# Altium PCB PCB1.PcbDoc
Units mm, origin at the board's own origin, x right, y up, seen from the top; angles counter-clockwise.
Board outline 117.35 x 83.31 mm, 2 copper layers (Top Layer, Bottom Layer); 60 components, 32 nets, 135 pads, 2 vias.
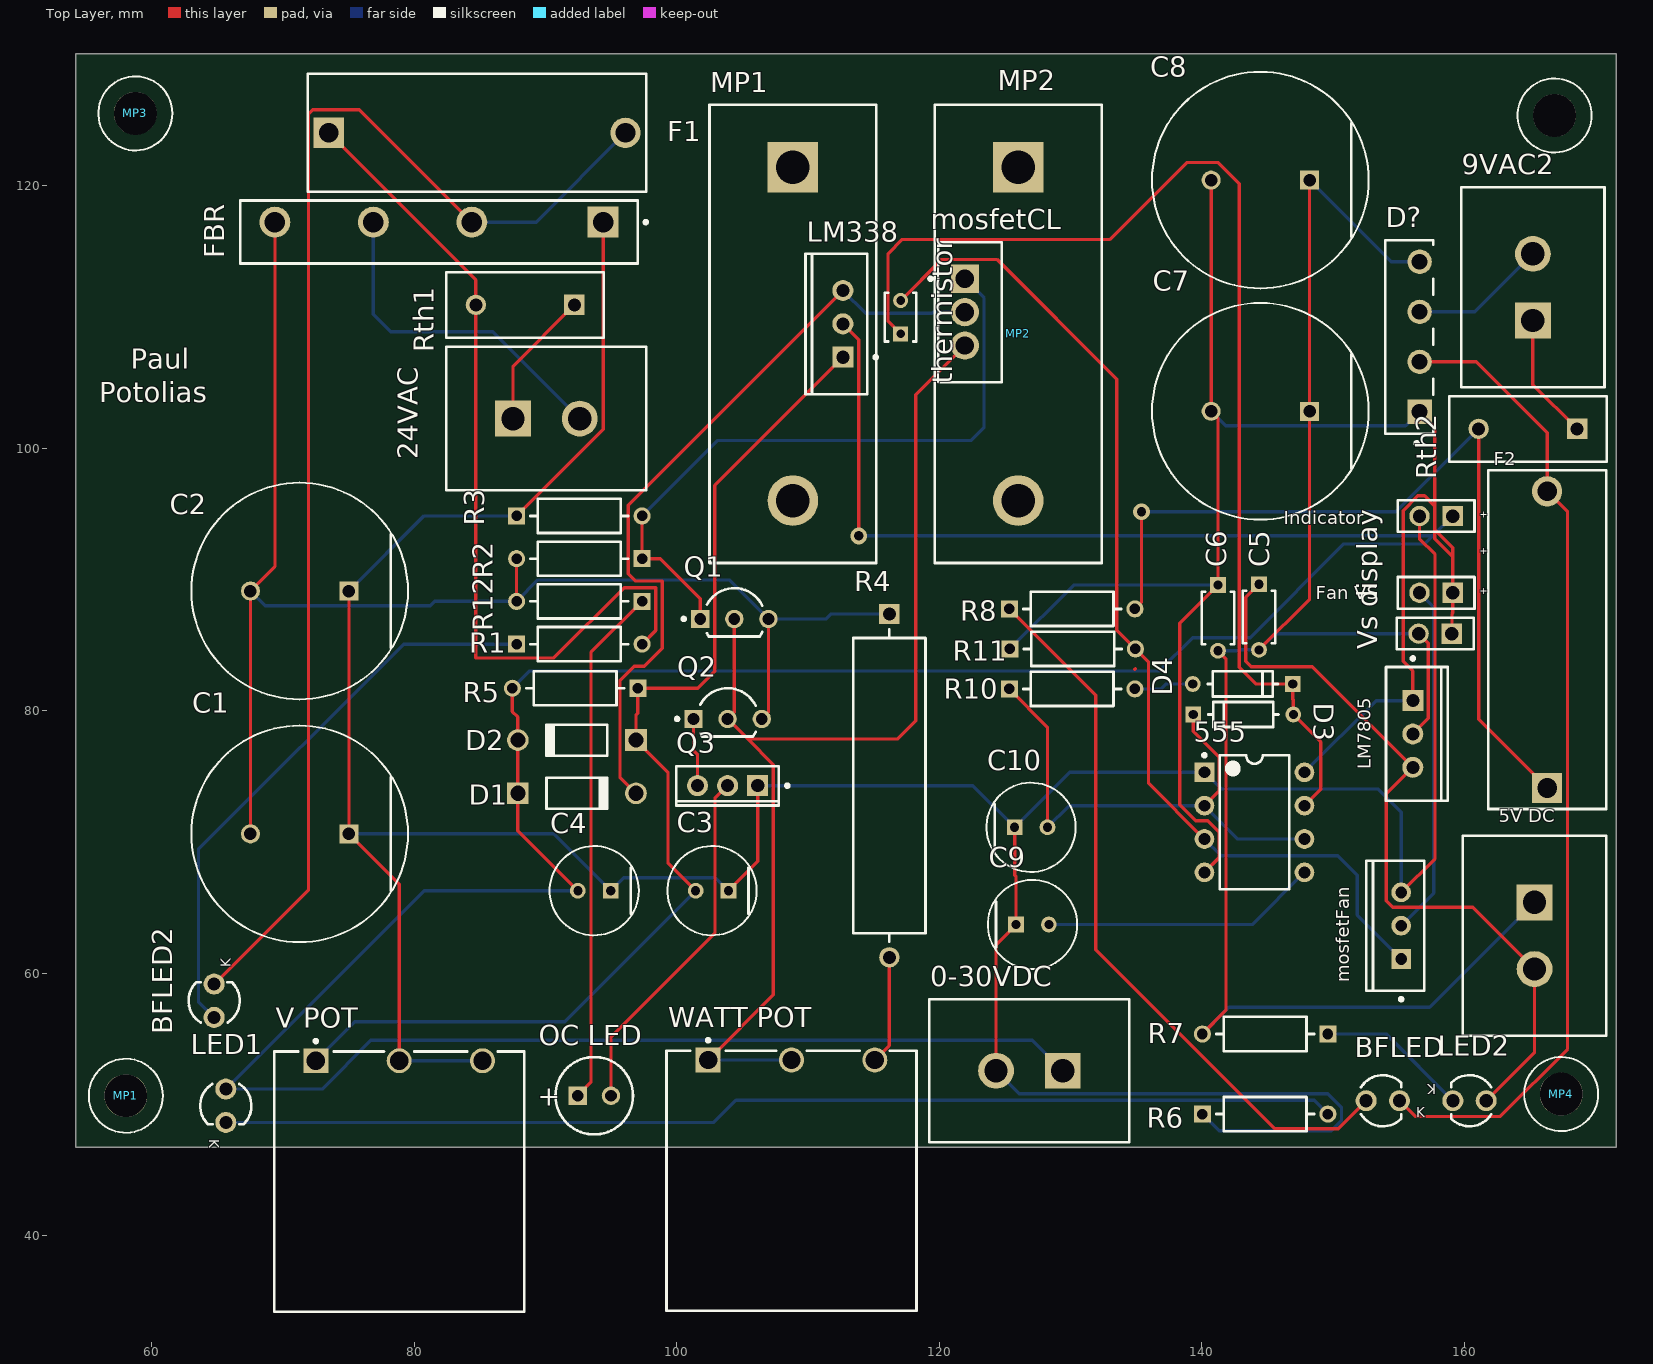
[diagram p0: Top Layer view]
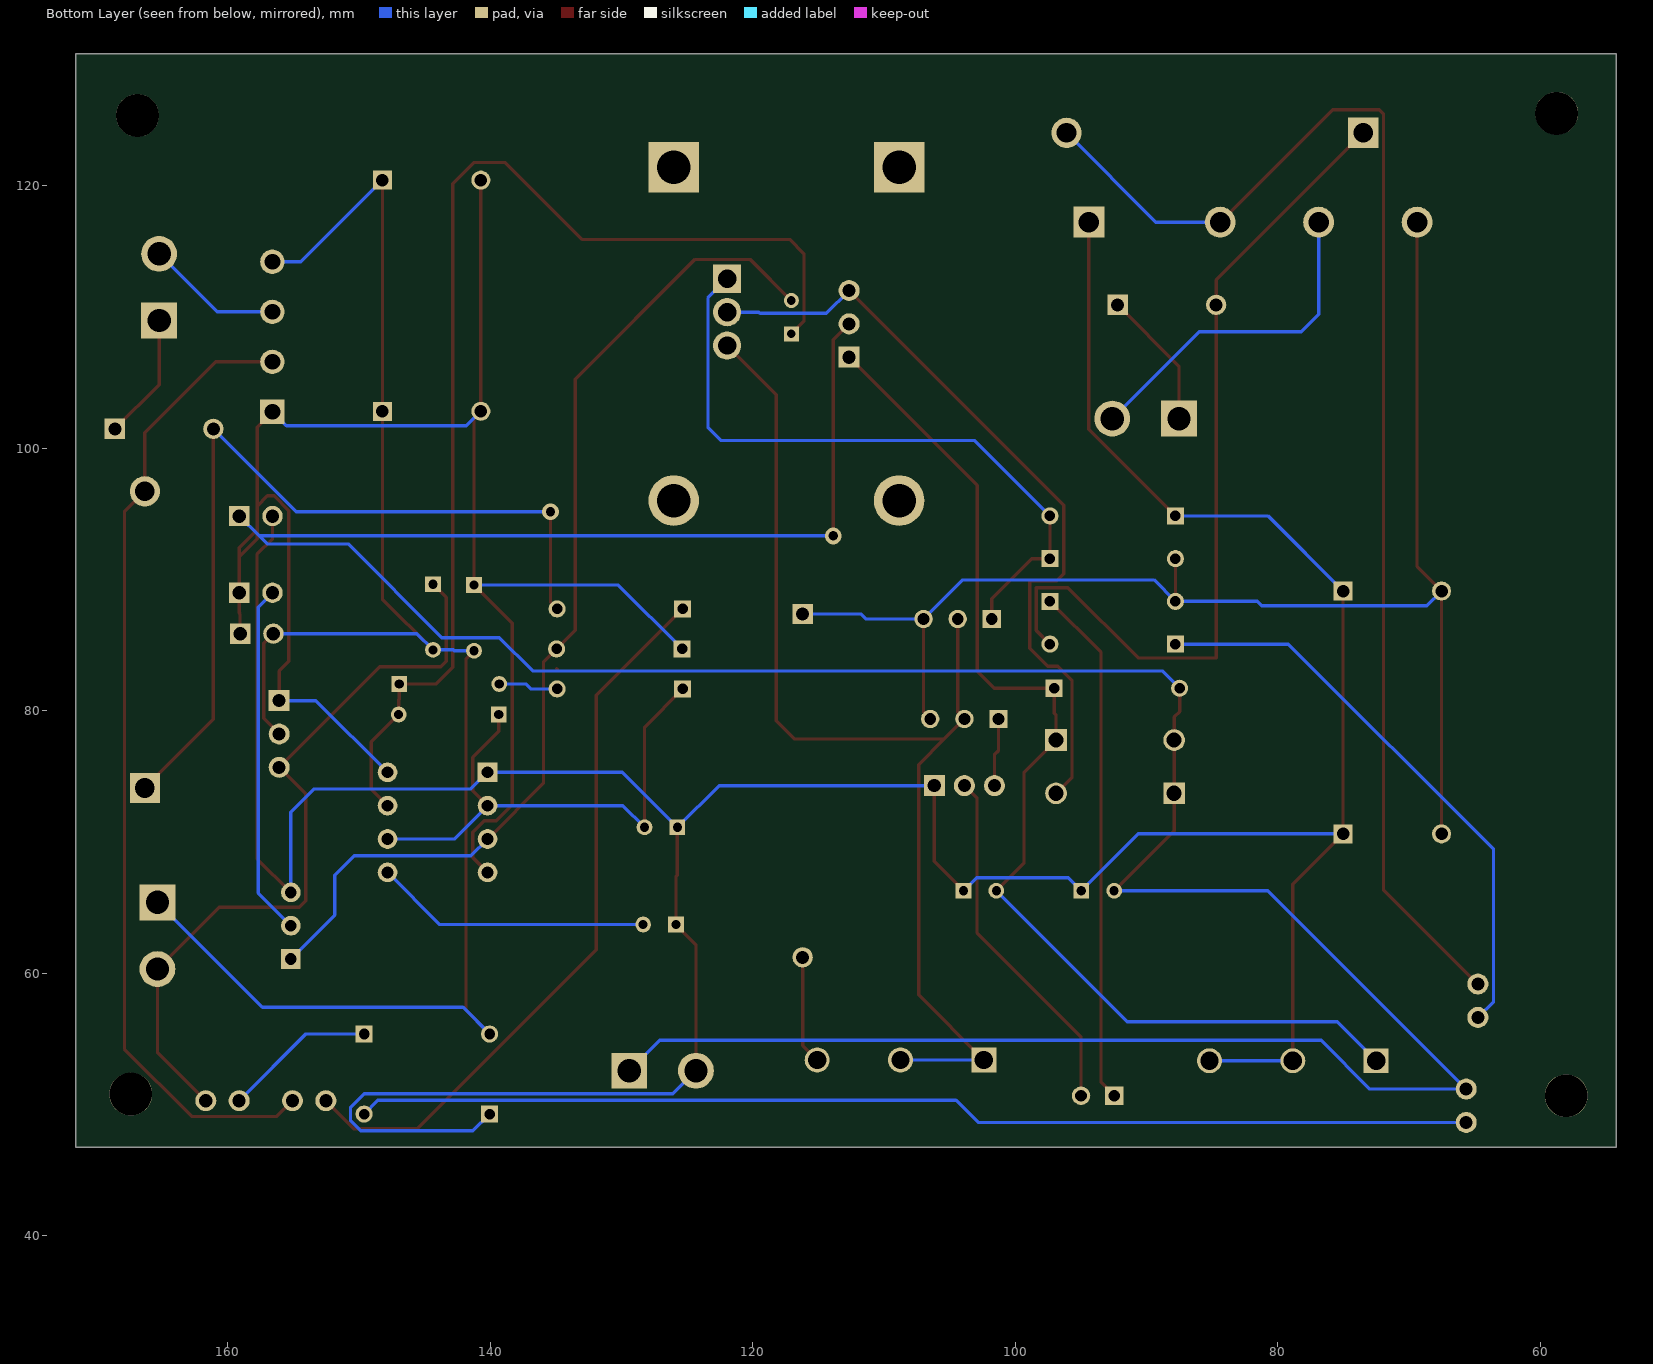
[diagram p1: Bottom Layer view, seen from below]
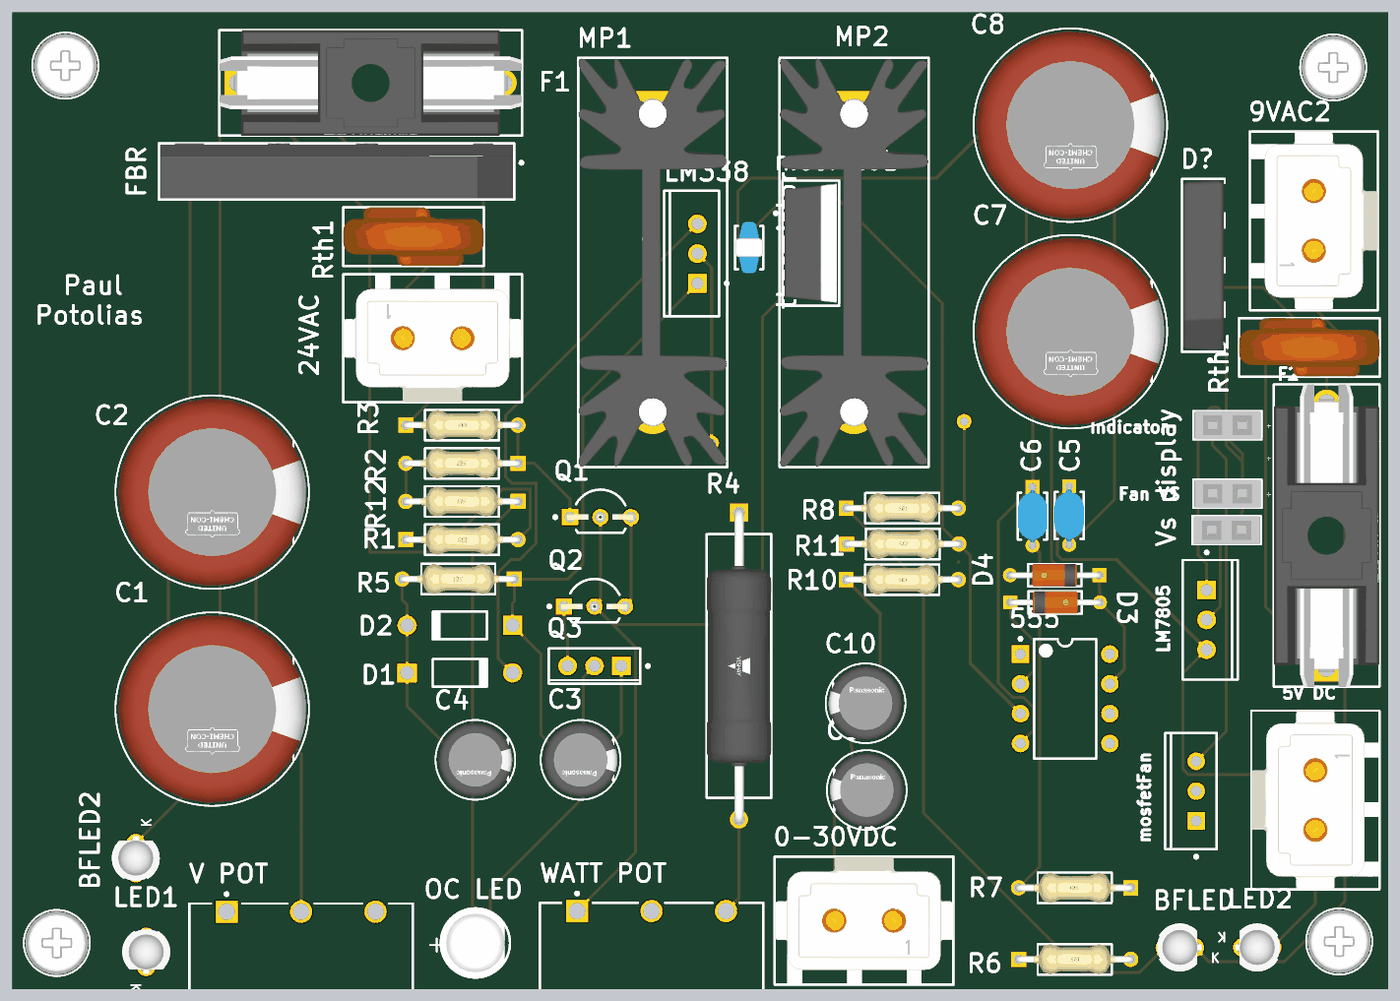
[diagram p2: 3D render of the assembled board from above, using the file's embedded part models]

## Layer stack, top to bottom
Top Solder: solder mask 0.0102, Solder Resist, Dk 3.5
Top Layer: signal copper 0.0356
Dielectric 1: dielectric 0.32, FR-4, Dk 4.8
Bottom Layer: signal copper 0.0356
Bottom Solder: solder mask 0.0102, Solder Resist, Dk 3.5

## Board outline
54.229,46.736 171.577,46.736 171.577,130.048 54.229,130.048

## Design rules (kind name [scope] priority, off if disabled: settings)
Clearance [All] p1: gap=0.254 ignorepadtopadclearanceinfootprint=FALSE except(0: Arc-Hole Track-Hole SMDPad-Hole THPad-Hole Via-Hole Fill-Hole Poly-Hole Region-Hole Text-Hole)
PolygonConnect [All] p1: connectstyle=Relief reliefconductorwidth=0.254 reliefentries=4 polygonreliefangle="90 Angle" airgapwidth=0.254
RoomDefinition Sheet1 [InComponentClass('Sheet1')] p1: confinementstyle=ConfineIn formatcopy=TRUE lockcomponents=FALSE outline 0,0 50.8,0 50.8,25.4 0,25.4
RoutingVias [All] p1: holewidth=0.711 width=1.27 viastyle="Through Hole" minholewidth=0.711 minwidth=1.27 maxholewidth=0.711 maxwidth=1.27
SolderMaskExpansion [All] p1: expansion=0.102 istentingtop=FALSE
Width [All] p1: maxlimit=0.254 minlimit=0.254 preferedwidth=0.254
30 further rules are at their usual default settings.

## Components (designator, comment, footprint, x,y, rotation, side; value= is the part's Value field where it differs from the comment)
0-30VDC "350539-1" FP-350539-1-MFG 126.873,52.578 r0 top
"5V DC" "350539-1" FP-350539-1-MFG 165.354,62.865 r90 top
9VAC2 "350539-1" FP-350539-1-MFG 165.227,112.268 r270 top
24VAC "350539-1" FP-350539-1-MFG 90.08,102.256 r180 top
555 "NE555P" P0008A 144.018,71.501 r0 top
BFLED "Blowfuse indicator" "Type 3mm" 153.797,50.292 r0 top
BFLED2 "Blown fuse indicator" "Type 3mm" 64.77,57.912 r90 top
C1 "2.2mF" FP-EGPA500ELL222ML40S-MFG 71.286,70.622 r180 top
C2 "2.2mF" FP-EGPA500ELL222ML40S-MFG 71.286,89.121 r180 top
C3 "10μF" FP-ECA-2CHG010I-MFG 102.7,66.294 r180 top
C4 "10μF" FP-ECA-2CHG010I-MFG 93.726,66.294 r180 top
C5 "10n" FP-RDE0M1-MFG 144.363,87.138 r270 top
C6 "10n" FP-RDE0M1-MFG 141.239,87.075 r270 top
C7 "2.2mF" FP-EGPA500ELL222ML40S-MFG 144.465,102.815 r180 top
C8 "2.2mF" FP-EGPA500ELL222ML40S-MFG 144.465,120.426 r180 top
C9 "10μF" FP-ECA-2CHG010I-MFG 127.107,63.717 r0 top
C10 "10μF" FP-ECA-2CHG010I-MFG 127,71.12 r0 top
D1 "1N4002-T" DIOD-DO-41-P-2_V 92.403,73.714 r0 top
D2 "1N4002-T" DIOD-DO-41-P-2_V 92.403,77.767 r180 top
D3 "1N4148" FP-017AG-MFG 143.169,79.717 r0 top
D4 "1N4148" FP-017AG-MFG 143.129,82.042 r180 top
D? "KBP205G" FP-KBP-MFG 155.8,108.472 r90 top value=25pF
F1 "64600001223" FP-64600001223-MFG 84.8,124.027 r0 top
F2 "64600001223" FP-64600001223-MFG 166.315,85.419 r90 top
"Fan VS" "SSQ-102-01-G-S" SMTC-SSQ-102-01-X-S 159.13,88.989 r180 top
FBR "GSIB2540-E3/45" FP-GSIB2580-E3-45-MFG 81.899,116.472 r180 top
Indicator "display wiring" SMTC-SSQ-102-01-X-S 159.13,94.831 r180 top
LED1 "on indicator" "Type 3mm" 65.659,49.911 r270 top
LED2 "on indicator" "Type 3mm" 160.401,50.292 r180 top
LM338 "LM338T" NDE0003A 112.663,109.474 r90 top
LM7805 "LM7805ACT" FAIR-TO-220-3 156.083,78.232 r0 top (schematic designator lm7805)
mosfetCL "IRF5210" FP-PG-TO262-3-MFG 122.339,110.363 r0 top
mosfetFan "IRF3205PBF" INF-PG-TO-220AB 155.194,63.627 r180 top
MP1 "9901" FP-9901-MFG 58.039,50.673 r0 top
MP1 "513001B02500G" FP-513001B02500G-MFG 108.853,108.712 r270 top
MP2 "513001B02500G" FP-513001B02500G-MFG 126.025,108.712 r270 top
MP2 "9901" FP-9901-MFG 166.878,125.349 r90 top
MP3 "9901" FP-9901-MFG 58.767,125.508 r0 top
MP4 "9901" FP-9901-MFG 167.386,50.8 r0 top
"OC LED" "over current indicator" KING-WP7113SYD_V 93.726,50.673 r0 top
Q1 "2n3906" ONSC-TO-92-3-29-11_AM_BL 104.394,86.995 r0 top
Q2 "2n3906" ONSC-TO-92-3-29-11_AM_BL 103.886,79.375 r0 top
Q3 "2N4923G" ONSC-TO-225-3-77-09 103.886,74.295 r270 top
R1 "1.7k" FP-CF14-MFG 92.583,85.078 r0 top
R2 "20k" FP-CF14-MFG 92.583,91.586 r180 top
R3 "30k" FP-CF14-MFG 92.583,94.84 r0 top
R4 "0.225Ω 3W" FP-PAC03-MFG 116.205,74.295 r270 top
R5 "120Ω" FP-CF14-MFG 92.269,81.714 r180 top
R6 "1.5k" FP-CF14-MFG 144.831,49.281 r0 top
R7 "250Ω" FP-CF14-MFG 144.831,55.377 r180 top
R8 "450Ω" FP-CF14-MFG 130.129,87.757 r0 top
R10 "1k" FP-CF14-MFG 130.129,81.661 r0 top
R11 "1kGmosf" FP-CF14-MFG 130.175,84.709 r0 top
R12 "10k" FP-CF14-MFG 92.583,88.332 r180 top
Rth1 "NTPAA5R1LDNB0" FP-NTPAA-MFG 88.46,110.918 r180 top
Rth2 "NTPAA5R1LDNB0" FP-NTPAA-MFG 164.846,101.473 r180 top
thermistor "10k" FP-103AT-2-MFG 117.068,109.982 r90 top
"V POT" "2.85k" BOUR-3852A-282-103AL-3_V 78.867,53.34 r0 top
"Vs display" "SSQ-102-01-G-S" SMTC-SSQ-102-01-X-S 159.061,85.877 r180 top
"WATT POT" "3852A-282-103AL" BOUR-3852A-282-103AL-3_V 108.75,53.394 r0 top

## Footprints (in the part's own frame and the unit in brackets; to place one, negate y for a bottom-side part, rotate by r counter-clockwise, add the part's x,y. Pads: shape width x height; smd on the part's side, far side on the other; paste and mask are expansions set on the pad)
BOUR-3852A-282-103AL-3_V [mm] "TH, 3-Leads, Body 19.81x19.05mm, Pitch 6.35mm"
  rect 1.9x1.9 hole 1.4: 1(-6.35,0)
  round 1.9 hole 1.4: 2(0,0) 3(6.35,0)
  silkscreen extent -9.53,-19.11 9.53,1.62, body extent -9.52,-19.11 9.52,0.7, height 19.05
DIOD-DO-41-P-2_V [mm] "2-Leads, Axial Lead, Body 4.635x2.36mm, Pin Spacing 9mm"
  rect 1.65x1.65 hole 1.15: 1(-4.5,0)
  round 1.65 hole 1.15: 2(4.5,0)
  silkscreen extent -2.32,-1.18 2.32,1.18, body extent -4.93,-1.18 4.93,1.18, height 2.35
FAIR-TO-220-3 [mm] "FM, 3-Leads, Body 10.2x4.7mm, Pitch 2.54mm"
  rect 1.6x1.6 hole 1: 1(0,2.54)
  round 1.6 hole 1: 2(0,0) 3(0,-2.54)
  silkscreen extent -2.04,-5.1 2.66,5.87, body extent -2.04,-5.1 2.66,5.1, height 18.95
FP-017AG-MFG [mm]
  rect 1.2x1.2 hole 0.7 paste-1000 mask+0: 1(-3.813,0)
  round 1.2 hole 0.7 paste-1000 mask+0: 2(3.813,0)
  silkscreen extent -2.68,-0.95 2.68,0.95, body extent -4.51,-1.05 4.51,1.05, height 0.25
FP-103AT-2-MFG [mm]
  rect 1.15x1.15 hole 0.65 paste-1000 mask+0: 1(-1.27,0)
  round 1.15 hole 0.65 paste-1000 mask+0: 2(1.27,0)
  silkscreen extent -1.85,-1.2 1.85,1.2, body extent -1.95,-1.3 1.95,1.3, height 0.25
FP-9901-MFG [mil]
  round 128.5 hole 128.5 unplated paste-39370.1 mask+0: ""(0,0)
  silkscreen extent -111,-111 111,111, body extent -115,-115 115,115, height 10
FP-350539-1-MFG [mil]
  rect 107.4x107.4 hole 70 paste-39370.1 mask+0: 1(100,0)
  round 107.4 hole 70 paste-39370.1 mask+0: 2(-100,0)
  silkscreen extent -300,-215 300,215, body extent -304,-219 304,219, height 10
FP-513001B02500G-MFG [mm]
  rect 3.85x3.85 hole 2.55 paste-1000 mask+0: 1(-12.7,0)
  round 3.85 hole 2.55 paste-1000 mask+0: 2(12.7,0)
  silkscreen extent -17.46,-6.35 17.46,6.35, body extent -17.56,-6.45 17.56,6.45, height 0.25
FP-64600001223-MFG [mm]
  rect 2.3x2.3 hole 1.5 paste-1000 mask+0: 1(-11.3,0)
  round 2.3 hole 1.5 paste-1000 mask+0: 2(11.3,0)
  silkscreen extent -12.9,-4.5 12.9,4.5, body extent -13,-4.6 13,4.6, height 0.25
FP-CF14-MFG [mm]
  rect 1.3x1.3 hole 0.8 paste-1000 mask+0: 1(-4.78,0)
  round 1.3 hole 0.8 paste-1000 mask+0: 2(4.78,0)
  silkscreen extent -3.73,-1.3 3.73,1.3, body extent -5.53,-1.4 5.53,1.4, height 0.25
FP-ECA-2CHG010I-MFG [mm]
  rect 1.2x1.2 hole 0.7 paste-1000 mask+0: 1(-1.25,0)
  round 1.2 hole 0.7 paste-1000 mask+0: 2(1.25,0)
  silkscreen extent -3.4,-3.4 3.4,3.4, body extent -3.5,-3.5 3.5,3.5, height 0.25
FP-EGPA500ELL222ML40S-MFG [mm]
  rect 1.45x1.45 hole 0.95 paste-1000 mask+0: 1(-3.75,0)
  round 1.45 hole 0.95 paste-1000 mask+0: 2(3.75,0)
  silkscreen extent -8.25,-8.25 8.25,8.25, body extent -8.35,-8.35 8.35,8.35, height 0.25
FP-GSIB2580-E3-45-MFG [mm]
  rect 2.35x2.35 hole 1.55 paste-1000 mask+0: 1(-12.5,-0.75)
  round 2.35 hole 1.55 paste-1000 mask+0: 2(-2.5,-0.75) 3(5,-0.75) 4(12.5,-0.75)
  silkscreen extent -15.88,-2.4 15.15,2.4, body extent -15.25,-2.5 15.25,2.5, height 0.25
FP-KBP-MFG [mm]
  rect 1.85x1.85 hole 1.2 paste-1000 mask+0: 1(-5.7,-0.8)
  round 1.85 hole 1.2 paste-1000 mask+0: 2(-1.89,-0.8) 3(1.92,-0.8) 4(5.73,-0.8)
  silkscreen extent -8.22,-1.82 7.38,1.83, body extent -7.47,-1.92 7.47,1.92, height 0.25
FP-NTPAA-MFG [mm]
  rect 1.55x1.55 hole 1 paste-1000 mask+0: 1(-3.75,0)
  round 1.55 hole 1 paste-1000 mask+0: 2(3.75,0)
  silkscreen extent -6,-2.5 6,2.5, body extent -6.1,-2.6 6.1,2.6, height 0.25
FP-PAC03-MFG [mm]
  rect 1.55x1.55 hole 1 paste-1000 mask+0: 1(-13.08,0)
  round 1.55 hole 1 paste-1000 mask+0: 2(13.08,0)
  silkscreen extent -11.9,-2.75 11.9,2.75, body extent -13.95,-2.85 13.95,2.85, height 0.25
FP-PG-TO262-3-MFG [mm]
  rect 2.15x2.15 hole 1.4 paste-1000 mask+0: 1(-0.377,2.54)
  round 2.15 hole 1.4 paste-1000 mask+0: 2(-0.377,0) 3(-0.377,-2.54)
  silkscreen extent -3.12,-5.33 2.41,5.34, body extent -2.51,-5.44 2.51,5.44, height 0.25
FP-RDE0M1-MFG [mm]
  rect 1.2x1.2 hole 0.7 paste-1000 mask+0: 1(-2.5,0)
  round 1.2 hole 0.7 paste-1000 mask+0: 2(2.5,0)
  silkscreen extent -2,-1.25 2,1.25, body extent -3.2,-1.35 3.2,1.35, height 0.25
INF-PG-TO-220AB [mm] "FM, 3-Leads, Body 9.9x4.4mm, Pitch 2.54mm"
  rect 1.5x1.5 hole 0.9: 1(0,2.54)
  round 1.5 hole 0.9: 2(0,0) 3(0,-2.54)
  silkscreen extent -1.75,-4.95 2.65,5.72, body extent -1.75,-4.95 2.65,4.95, height 20.2
KING-WP7113SYD_V [mm] "THD, 2-Leads, Dia 5.9mm, Body Length 8.6mm"
  rect 1.4x1.4 hole 0.889: 1(-1.27,0)
  round 1.4 hole 0.889: 2(1.27,0)
  silkscreen extent -2.95,-2.95 2.95,2.95, body extent -2.95,-2.95 2.5,2.95, height 15.5
NDE0003A [mm] "FM, 3-Leads, Body 10.7x4.7mm, Pitch 2.54mm"
  rect 1.6x1.6 hole 1: 1(-2.54,0)
  round 1.6 hole 1: 2(0,0) 3(2.54,0)
  silkscreen extent -5.35,-2.63 5.35,2.85, body extent -5.4,-1.9 5.4,2.9, height 19.4
ONSC-TO-92-3-29-11_AM_BL [mm] "TO, 3-Leads, Body Dia 4.7mm, Pitch 2.6mm"
  rect 1.4x1.4 hole 0.9: 1(-2.6,0)
  round 1.4 hole 0.9: 2(0,0) 3(2.6,0)
  silkscreen extent -3.97,-1.34 2.13,2.35, body extent -2.84,-1.34 2.84,2.35, height 5.33
ONSC-TO-225-3-77-09 [mm] "FM, 3-Leads, Body 7.8x3mm, Pitch 2.29mm"
  rect 1.6x1.6 hole 1: 1(0,2.29)
  round 1.6 hole 1: 2(0,0) 3(0,-2.29)
  silkscreen extent -1.49,-3.9 1.51,4.68, body extent -1.49,-3.9 1.51,3.9, height 13.64
P0008A [mm] "DIP, 8-Leads, Body 10.15x6.6mm, Pitch 2.54mm"
  rect 1.5x1.5 hole 0.9: 1(-3.81,3.81)
  round 1.5 hole 0.9: 2(-3.81,1.27) 3(-3.81,-1.27) 4(-3.81,-3.81) 5(3.81,-3.81) 6(3.81,-1.27) 7(3.81,1.27) 8(3.81,3.81)
  silkscreen extent -3.93,-5.1 2.65,5.23, body extent -3.95,-5.07 3.95,5.07, height 5.08
SMTC-SSQ-102-01-X-S [mm] "SQ Post Socket, 1x2 Pins, Vertical, 2.54mm Pitch, Female"
  rect 1.55x1.55 hole 1.02: 1(0,0)
  round 1.55 hole 1.02: 2(2.54,0)
  silkscreen extent -1.65,-1.2 4.19,1.2, body extent -1.52,-1.21 4.06,1.21, height 8.51
"Type 3mm" [mm] "THT, LED-3mm, 2pin- Body 4.15mm(max)"
  round 1.6 hole 1: 1(1.27,0) 2(-1.27,0)
  silkscreen extent -1.66,-1.95 1.4,1.95, body extent -1.93,-1.94 1.87,1.94, height 10.5

## Part data
0-30VDC "5V DC" 9VAC2 24VAC: library part CMP-03369-000078-1, "CONN HEADER VERT 2POS 5.08MM", Current Rating=12A, Manufacturer="TE Connectivity", Temperature="-55°C to +105°C", Temperature Range High=+105°C, Temperature Range Low=-55°C, Voltage Rating=250V, Automotive=No, Category=Conn, ComponentLink2Description=Datasheet, ComponentLink2URL=https://www.te.com/usa-en/product-350539-1.html?te_bu=Cor&te_type=other&te_campaign=oct_glo_cor-oct-global-oth-prtnr-fy19-oct-octo-buy-bom_sma-298_2&elqCampaignId=35216, Conn Gender=Male, Conn Orientation=Vertical, Contact Material=Gold,Nickel, Device Class L1=Connectors, Device Class L2="Headers and Wire Housings", Device Class L3=unset, Digikey Description="CONN HEADER VERT 2POS 5.08MM", Height=0.41inch, Lead Free=Yes, Manufacturer Part Number=350539-1, Mouser Description="Pin & Socket Connectors CONN PCM 2 POS TIN", Number Of Contacts=2, Number Of Rows=1, Octopart=https://octopart.com/350539-1-te+connectivity-46510628, Package=350539-1, Pitch=5.08mm, RoHS=TRUE, Standoff Height=0.025inch
555: library part CMP-2000-04954-1, "Precision Timer, 4.5 to 16 V, 0 to 70 degC, 8-Pin DIP, Pb-Free, Tube", Manufacturer=TexasInstruments, Maximum High Level Output Current=-200mA, Maximum Low Level Output Current=200mA, Operating Supply Voltage=5, Package=8PDIP, Package Description="8-Pin Double In-line Package, Body 9.59 x 6.35 mm, Pitch 2.54 mm", Package Reference=P8, Category=Timer, Datasheet URL=http://www.ti.com/general/docs/lit/getliterature.tsp?genericPartNumber=NE555&fileType=pdf, Datasheet Version="Rev. I, 09/2014", Manufacturer URL=http://www.ti.com/, Number of Internal Timers=1, Package URL=http://www.ti.com/lit/ml/mpdi001b/mpdi001b.pdf, Packaging=Rail/Tube, Rad Hard=No, Type=Standard
BFLED BFLED2: library part CMP-1488-00005-1, "THT LED round mono-color color lens, WL-TMRW, Super Red", Emitting Color="Super Red", Manufacturer="Wuerth Elektronik", PartNumber=151031SS04000, ComponentLink1Description="Manufacturer URL", ComponentLink1URL=http://www.we-online.com, ComponentLink2Description=Datasheet, ComponentLink2URL=http://katalog.we-online.de/pbs/datasheet/7448042001.pdfhttp://katalog.we-online.de/pbs/datasheet/7448042001.pdfhttp://katalog.we-online.de/pbs/datasheet/7448042001.pdfhttp://katalog.we-online.de/pbs/datasheet/151031SS04000.pdf, PackageReference="Type 3mm"
C1 C2 C7 C8: library part CMP-33768-000005-1, "CAP ALUM 2200UF 20% 50V RADIAL", Case/Package=Radial, ESR (Equivalent Series Resistance)=20mR, Leakage Current=4uA, Max Operating Temperature=125°C, Min Operating Temperature=-40°C, Package Quantity=250, Ripple Current=3.72A, Tolerance=20%, Voltage=50V, Capacitance=2.2mF, Diameter=16mm, Height - Seated (Max)=1.634inch, Lead Diameter=0.8mm, Lead Free="Lead Free", Lead Pitch=7.5mm, Length=40mm, Life (Hours)=5000Hour, Mount="Through Hole", Number of Pins=40, Packaging=Bulk, Polarity=Polar, Radiation Hardening=No, Termination=Radial, Voltage Rating=50V, Voltage Rating (DC)=50V
C3 C4 C9 C10: library part CMP-05427-002176-1, "CAP ALUM 1UF 20% 160V RADIAL", Capacitance=1uF, Case/Package=Radial, Max Operating Temperature=105°C, Min Operating Temperature=-25°C, Package Quantity=2000, Ripple Current=17mA, Tolerance=20%, Voltage Rating=160V, Diameter=6.3mm, Height=11.2mm, Height - Seated (Max)=0.48inch, Lead Pitch=2.5mm, Lead/Base Style=Straight, Length=11.2mm, Life (Hours)=2000Hour, Mount="Through Hole", Packaging="Ammo Pack", Radiation Hardening=No, RoHS Compliant=Yes, Series=NHG, Termination=Radial, Voltage Rating (DC)=160V
C5 C6: library part CMP-06035-051680-1, "Ceramic Capacitor 100nF ±10% 50V X7R Radial", Capacitance=100nF, Case/Package=Radial, Dielectric=X7R, Max Operating Temperature=125°C, Min Operating Temperature=-55°C, Package Quantity=2000, Resistor Type=Ceramic, Tolerance=10%, Voltage Rating=50V, Height=3.5mm, Height - Seated (Max)=0.236inch, Lead Diameter=0.5mm, Lead Free="Lead Free", Lead Pitch=0.197inch, Lead/Base Style=Kinked, Length=0.157inch, Mount="Through Hole", Packaging="Tape and Reel", Termination=Radial, Voltage Rating (DC)=50V, Width=3.5mm
D1 D2: library part CMP-0639-00002-2, "1.0 A Rectifier, 15 pF, 100 V, -65 to 150 degC, 2-Pin DO-41 Plastic, RoHS, Tape and Reel", Manufacturer="Diodes Inc", Max. Average Rectified Current IO (A)=1, Operating Temperature Range (degC)="-65 to 150", ComponentLink1Description="Manufacturer URL", ComponentLink1URL=http://diodes.com/, ComponentLink2Description=Datasheet, ComponentLink2URL=http://diodes.com/datasheets/ds28002.pdf, CT (pF)=15, DatasheetVersion="Rev. 8-2", Max. IFSM (A)=30, Max. IR (uA)=5, Mounting Technology="Through Hole", PackageDescription="2-Pin Axial Lead, Body 4.635 x 2.36 mm, Lead Spread 25.4 mm", PackageReference=DO-41-P-2, Packing="Tape and Reel", PartNumber=1N4002-T, RoHS=TRUE, VF (V)=1, VRRM (V)=100
D3 D4: library part CMP-07163-000046-1, "DIODE GEN PURP 100V 200MA DO35", Average Rectified Current=200mA, Capacitance=4pF, Case/Package=DO-35, Current=4A, Forward Current=300mA, Forward Voltage=1V, Max Forward Surge Current (Ifsm)=1A, Max Operating Temperature=175°C, Max Power Dissipation=500mW, Max Repetitive Reverse Voltage (Vrrm)=100V, Max Reverse Current=5uA, Min Operating Temperature=-65°C, Package Quantity=2000, Contact Plating=Tin, Current Rating=200mA, Diameter=1.91mm, Element Configuration=Single, Height=4.56mm, Lead Free="Lead Free", Length=4.56mm, Max Reverse Voltage (DC)=100V, Max Surge Current=4A, Mount="Through Hole", Number of Pins=2, Output Current=200mA, Outside Diameter=1.85mm, Packaging=Bulk, Peak Non-Repetitive Surge Current=4A, Polarity=Standard, Power Dissipation=500mW, Radiation Hardening=No, REACH SVHC="No SVHC", Recovery Time=4ns, Reverse Recovery Time=4ns, Reverse Voltage=100V, Series=-, Voltage=100V, Voltage Rating (DC)=100V, Weight=0.01lb, Width=1.91mm
D?: library part CMP-12791-000035-1, "BRIDGE RECT 1PHASE 600V 2A KBP", Capacitance=25pF, Forward Current=2A, Manufacturer="Diodes Inc.", Manufacturer Part Number=KBP206G, Max Junction Temp=+150°C, Max Repetitive Reverse Voltage=600V, Max Surge Forward Current=65A, Package=KBP, Peak Reverse Current=5uA, Temperature="-65°C to +150°C", Temperature Range Low=-65°C, Automotive=No, Category=Diode, ComponentLink2Description=Datasheet, ComponentLink2URL=https://www.diodes.com/assets/Datasheets/ds21205.pdf, Device Class L1="Discrete Semiconductors", Device Class L2=Diodes, Device Class L3="Rectifier Diodes", Digikey Description="BRIDGE RECT 1PHASE 600V 2A KBP", Footprint Url=https://www.diodes.com/assets/Package-Files/KBP.pdf, Height=12.8mm, Lead Free=Yes, Mouser Description="Bridge Rectifiers 2.0A 600V", Octopart=https://octopart.com/kbp206g-diodes+inc.-330175, Reverse Voltage=600V, RoHS=TRUE, Standoff Height=1.8mm, Temperature Range High=+150°C
F1 F2: library part CMP-08604-000020-1, "FUSE BLOCK CART 250V 6.3A PCB", Fuse Current=6.3A, Manufacturer="Littelfuse Inc", Package=0, Voltage Rating Ac=250V, Automotive=No, Category=Fuse, ComponentLink2Description=Datasheet, ComponentLink2URL=https://www.littelfuse.com/~/media/electronics/datasheets/fuse_blocks/littelfuse_fuse_block_646_datasheet.pdf.pdf, Conn Orientation=Horizontal, Device Class L1="Circuit Protection", Device Class L2="Fuse Holders", Device Class L3=unset, Digikey Description="FUSE BLOCK CART 250V 6.3A PCB", Height=12mm, Lead Free=Yes, Manufacturer Part Number=64600001223, Mouser Description="Fuse Holder Screw Mount Bulk", Number Of Fuses=1, Octopart=https://octopart.com/64600001223-littelfuse-39645661, RoHS=TRUE, Voltage Rating Dc=250V
"Fan VS" "Vs display": library part CMP-1023-00275-1, "SQ Post Socket, Through-hole, Vertical, -55 to 125 degC, 2.54 mm Pitch, 2-Pin, Female, RoHS", Manufacturer=Samtec, Temperature Range="-55 to 125 degC", ComponentLink1Description="Manufacturer URL", ComponentLink1URL=http://www.samtec.com, ComponentLink2Description=Datasheet, ComponentLink2URL=http://www.samtec.com/documents/webfiles/pdf/SSQ_TH.PDF, ComponentLink3Description="Package Specification", ComponentLink3URL=http://www.samtec.com/documents/webfiles/cpdf/SSQ-1XX-XX-XXX-X-XX-XXX-XX-X-MKT.pdf, DatasheetVersion=F-214, Mounting Technology=Through-hole, Orientation=Vertical, PackageDescription="Assembly, Socket Strip .025[0.64] SQ Tail", PackageReference=SSQ-102-01-X-S, PackageVersion="BD, 6/1987", PartNumber=SSQ-102-01-G-S, Pitch="2.54 mm", RoHS=True
FBR: library part CMP-02540-000115-1, "BRIDGE RECT 1P 800V 3.5A GSIB-5S", Average Rectified Current=3.5A, Case/Package=SIP, Current=25A, Current Rating=20A, Forward Voltage=1V, Max Forward Surge Current (Ifsm)=350A, Max Operating Temperature=150°C, Max Repetitive Reverse Voltage (Vrrm)=800V, Max Reverse Current=10uA, Min Operating Temperature=-55°C, Package Quantity=20, Voltage=200V, Element Configuration=Single, Forward Current=3.5A, Height=20mm, Lead Free="Lead Free", Length=30mm, Max Reverse Leakage Current=10uA, Max Surge Current=350A, Mount="Through Hole", Number of Elements=1, Number of Pins=4, Packaging=Rail/Tube, Peak Non-Repetitive Surge Current=350A, Radiation Hardening=No, RoHS Compliant=Yes, Series=-, Width=4.6mm
Indicator: library part CMP-1023-00275-1, "SQ Post Socket, Through-hole, Vertical, -55 to 125 degC, 2.54 mm Pitch, 2-Pin, Female, RoHS", Manufacturer=Samtec, PartNumber=SSQ-102-01-G-S, Temperature Range="-55 to 125 degC", ComponentLink1Description="Manufacturer URL", ComponentLink1URL=http://www.samtec.com, ComponentLink2Description=Datasheet, ComponentLink2URL=http://www.samtec.com/documents/webfiles/pdf/SSQ_TH.PDF, ComponentLink3Description="Package Specification", ComponentLink3URL=http://www.samtec.com/documents/webfiles/cpdf/SSQ-1XX-XX-XXX-X-XX-XXX-XX-X-MKT.pdf, DatasheetVersion=F-214, Mounting Technology=Through-hole, Orientation=Vertical, PackageDescription="Assembly, Socket Strip .025[0.64] SQ Tail", PackageReference=SSQ-102-01-X-S, PackageVersion="BD, 6/1987", Pitch="2.54 mm", RoHS=True
LED1 LED2: library part CMP-1488-00004-1, "THT LED round mono-color color lens, WL-TMRC , Bright Green", Emitting Color="Bright Green", Manufacturer="Wuerth Elektronik", PartNumber=151031VS06000, ComponentLink1Description="Manufacturer URL", ComponentLink1URL=http://www.we-online.com, ComponentLink2Description=Datasheet, ComponentLink2URL=http://katalog.we-online.de/pbs/datasheet/7448042001.pdfhttp://katalog.we-online.de/pbs/datasheet/7448042001.pdfhttp://katalog.we-online.de/pbs/datasheet/7448042001.pdfhttp://katalog.we-online.de/pbs/datasheet/151031VS06000.pdf, PackageReference="Type 3mm"
LM338: library part CMP-0062-02474-3, "5 Amp Adjustable Regulator, 3-pin TO-220, Pb-Free", Manufacturer="Texas Instruments", PackageTopMarking="NSUZXYTTE#*LM338T P+", PowerWise=N, ComponentLink1Description="Datasheet URL", ComponentLink1URL=http://www.ti.com/general/docs/lit/getliterature.tsp?genericPartNumber=LM338&fileType=pdf, CompType="LDO IC", PackageDescription="TO-220, Molded, 3 Lead, Straight", PackageReference=NDE0003A, PinCount=3, RoHS=Y
LM7805: library part CMP-2000-04937-1, "Positive Voltage Regulator, 5 V, 1 A, 0 to 125 degC, 3-Pin TO-220, RoHS, Tube", Dropout Voltage Measurement Current=1A, Manufacturer=Fairchild, Maximum Input Voltage=35V, Maximum Operating Temperature=+125degC, Minimum Operating Temperature=0degC, Output Voltage=5V, Package Description="3-Pin Through Hole Device, Body 10 x 4.5 mm, Pitch 2.54 mm", Package Reference=TO-220, Quiescent Current=6mA, Typical Dropout Voltage @ Current=2V@1A, Datasheet URL=https://datasheet.ciiva.com/5816/1359194-5816420.pdf, Datasheet Version="Rev. 1.0.1, 05/2006", Dimensions=10.67x4.83x16.51mm, Height=16.51mm, Length=10.67mm, Line Regulation=50mV, Load Regulation=100mV, Manufacturer URL=https://www.fairchildsemi.com/, Maximum Output Current=1A, Mounting Type=ThroughHole, Number of Outputs=1, Output Type=Fixed, Package Type=TO-220, Package URL=https://www.fairchildsemi.com/package-drawings/TO/TO220B03.pdf, Pin Count=3, Polarity=Positive, Regulator Function=Linear, Series=LM78xx, Width=4.83mm
mosfetCL: library part CMP-32901-001325-1, "MOSFET P-CH 100V 38A TO262", Case/Package=TO-262, Continuous Drain Current (ID)=38A, Drain to Source Breakdown Voltage=-100V, Drain to Source Resistance=60mR, Gate to Source Voltage (Vgs)=20V, Input Capacitance=2.78nF, Max Operating Temperature=150°C, Max Power Dissipation=3.1W, Min Operating Temperature=-55°C, Power Dissipation=170W, Threshold Voltage=4V, Drain to Source Voltage (Vdss)=-100V, Halogen Free="Halogen Free", Height=0.38inch, Lead Free="Contains Lead", Length=0.42inch, Max Dual Supply Voltage=-100V, Mount="Through Hole", Number of Pins=3, Packaging=Rail/Tube, Polarization=P, Rds On Max=60mR, Reach SVHC Compliant=Yes, RoHS Compliant=Yes, Series=HEXFET®, Turn-Off Delay Time=72ns, Turn-On Delay Time=14ns, Width=0.19inch
mosfetFan: library part CMP-2000-04997-1, "HEXFET(R) Power N-Channel MOSFET, 55 V, 110 A, -55 to 117 degC, 3-Pin TO-220AB, RoHS, Rail/Tube", Manufacturer="International Rectifier", Maximum Continuous Drain Current=110A, Maximum Drain Source Resistance=0.008Ω, Maximum Drain Source Voltage=55V, Maximum Gate Source Voltage=±20V, Maximum Gate Threshold Voltage=4V, Maximum Operating Temperature=+175degC, Maximum Power Dissipation=200W, Minimum Gate Threshold Voltage=2V, Minimum Operating Temperature=-55degC, Package Description="3-Pin Plastic (Green) Transistor Single Outline Package, 9.9 x 9.2 mm Body, 2.54 mm Pitch", Package Reference=PG-TO-220AB, Package Type=TO-220AB, Package Version=Feb-04, Typical Input Capacitance @ Vds=3247pF@25V, Category=PowerMOSFET, Channel Mode=Enhancement, Channel Type=N, Datasheet URL=http://datasheet.octopart.com/IRF3205PBF-International-Rectifier-datasheet-10898897.pdf, Datasheet Version=Jul-10, Dimensions=10.54x4.69x8.77mm, Height=8.77mm, Length=10.54mm, Manufacturer URL=http://internationalrectifier.com/, Mounting Type=ThroughHole, Number of Elements per Chip=1, Package URL=http://www.infineon.com/dgdl/bts110.pdf?folderId=db3a304412b407950112b43583c16310&fileId=db3a304412b407950112b43584326311&sId=db3a30443e3c704d013e4eb6657a2604, Pin Count=3, Transistor Configuration=Single, Transistor Material=Si, Typical Gate Charge @ Vgs=146nC@10V, Typical Turn-Off Delay Time=50ns, Typical Turn-On Delay Time=14ns, Width=4.69mm
MP1 MP2 MP3 MP4: library part CMP-19664-000002-1, "MACHINE SCREW PAN PHILLIPS 4-40", Package Quantity=100, Head Height=0.065inch, Lead Free="Lead Free", Length=0.44inch, Material="Stainless Steel", Mount=Screw, Outside Diameter=0.212inch, Series=-, Thread Size=#4-40
MP1 MP2: library part CMP-69313-000004-1, "BOARD LEVEL HEAT SINK", Case/Package=TO-218, Color=Black, Natural Thermal Resistance=13.4°C/W, Package Quantity=250, Thermal Resistance @ Forced Air Flow (100 LFM)=4°C/W, Depth=12.7mm, Finish=Anodized, Height=25.4mm, Height Off Base=0.5inch, Lead Free="Lead Free", Length=34.92mm, Material=Aluminium, Mount=Bolt, RoHS Compliant=Yes, Shape=Fins, Type=Passive, Width=1.375inch
"OC LED": library part CMP-1757-00003-1, "The Super Bright Yellow Device, 2 V, -40 to 85 degC, 2-Pin THD, RoHS, Tape and Reel", Case\Package=Axial, Max Operating Temperature="155 degC", Min Operating Temperature="-55 degC", Package Quantity=200, Power Rating="250 mW", Resistance="22.1 kohm", Tolerance=1%, Voltage Rating="250 V", ComponentLink1Description=Datasheet, ComponentLink1URL=http://www.kingbrightusa.com/images/catalog/SPEC/WP7113SYD.pdf, DatasheetVersion="Rev. 7B, 01/2015", Length="0.248 inch", Mount="Through Hole", PackageDescription="2-Pin Through Hole Device, Dia 5.9 mm, Body Length 8.6 mm", PackageReference=WP7113SYD, Packaging=Bulk, RoHSCompliant=true
Q1: library part CMP-1048-01520-1, "Amplifier Transistor, PNP Silicon, 3-Pin TO-92, Pb-Free, Tape and Reel BC557BRL1G", Manufacturer="On Semiconductor", PartNumber=BC557BRL1G, ComponentLink1Description="Manufacturer URL", ComponentLink1URL=http://www.onsemi.com/, ComponentLink2Description=Datasheet, ComponentLink2URL=http://www.onsemi.com/pub_link/Collateral/BC556B-D.PDF, ComponentLink3Description="Package Specification", ComponentLink3URL=http://www.onsemi.com/pub_link/Collateral/MAC97-D.PDF, DatasheetVersion="Rev. 3", IC Continuous (A)=-0.1, Mounting Technology="Through Hole", PackageDescription="3-Pin Transistor Outline, Body 4.825 x 3.685 mm, Pitch 1.27 mm", PackageReference=TO-92-3-29-11_AM_BL, PackageVersion="Rev. AM", Packing="Tape and Reel", Polarity=PNP, RoHS=TRUE
Q2: library part CMP-1048-01520-1, "Amplifier Transistor, PNP Silicon, 3-Pin TO-92, Pb-Free, Tape and Reel", Manufacturer="On Semiconductor", PartNumber=BC557BRL1G, ComponentLink1Description="Manufacturer URL", ComponentLink1URL=http://www.onsemi.com/, ComponentLink2Description=Datasheet, ComponentLink2URL=http://www.onsemi.com/pub_link/Collateral/BC556B-D.PDF, ComponentLink3Description="Package Specification", ComponentLink3URL=http://www.onsemi.com/pub_link/Collateral/MAC97-D.PDF, DatasheetVersion="Rev. 3", IC Continuous (A)=-0.1, Mounting Technology="Through Hole", PackageDescription="3-Pin Transistor Outline, Body 4.825 x 3.685 mm, Pitch 1.27 mm", PackageReference=TO-92-3-29-11_AM_BL, PackageVersion="Rev. AM", Packing="Tape and Reel", Polarity=PNP, RoHS=TRUE
Q3: library part CMP-1048-01247-1, "Medium-Power Plastic NPN Silicon Transistor, 3-Pin TO-225, Pb-Free, Bulk Box", Manufacturer="On Semiconductor", ComponentLink1Description="Manufacturer URL", ComponentLink1URL=http://www.onsemi.com/, ComponentLink2Description=Datasheet, ComponentLink2URL=http://www.onsemi.com/pub_link/Collateral/2N4921-D.PDF, ComponentLink3Description="Package Specification", ComponentLink3URL=http://www.onsemi.com/pub_link/Collateral/77-09.PDF, DatasheetVersion="Rev. 14", fT Min (MHz)=3, IC Continuous (A)=1, Mounting Technology="Through Hole", PackageDescription="3-Pin Flange Mount, Vertical Straight Lead, Body 7.6 x 2.7 mm, Pitch 2.29 mm", PackageReference=TO-225-3-77-09, PackageVersion="Rev. AC, 12/2013", Packing="Bulk Box", PartNumber=2N4923G, Polarity=NPN, RoHS=TRUE
R1 R2 R3 R5 R6 R7 R8 R10 R11 R12: library part CMP-26528-000003-1, "RES 7.5K OHM 1/4W 5% AXIAL", Case/Package=Axial, Max Operating Temperature=155°C, Max Power Dissipation=250mW, Min Operating Temperature=-55°C, Resistance=7.5kR, Resistor Type="Carbon Film", Temperature Coefficient=-400ppm/°C, Tolerance=5%, Contact Plating=Tin, Diameter=2.3mm, Features="Flame Retardant Coating", Lead Free="Lead Free", Length=0.256inch, Mount="Through Hole", Number of Terminations=2, Packaging="Tape and Reel", Power Rating=250mW, Radiation Hardening=No, RoHS Compliant=Yes, Series=CF
R4: library part CMP-02408-000023-1, "RES 560 OHM 3W 1% AXIAL", Case/Package=Axial, Max Operating Temperature=275°C, Max Power Dissipation=3W, Min Operating Temperature=-55°C, Package Quantity=1, Resistance=560R, Resistor Type=Wirewound, Temperature Coefficient=100ppm/°C, Tolerance=1%, Contact Plating=Tin, Diameter=5.5mm, Features="Flame Retardant Coating", Length=0.65inch, Mount="Through Hole", Number of Terminations=2, Packaging="Cut Tape", Power Rating=3W, Radiation Hardening=No, RoHS Compliant=Yes, Series=PAC
Rth1 Rth2: library part CMP-06022-000035-1, "ICL 5.1 OHM 15% 2.5A 10MM", Case/Package=Radial, Current Rating=2.5A, Max Operating Temperature=160°C, Min Operating Temperature=-20°C, Package Quantity=100, Resistance=5.1R, Tolerance=15%, Voltage=264V, Depth=5mm, Diameter=0.394inch, Lead Diameter=0.8mm, Lead Free="Lead Free", Lead Pitch=0.295inch, Mount="Through Hole", Number of Pins=2, Packaging=Bulk, Radiation Hardening=No, Thickness=5mm, Width=5mm
thermistor: library part CMP-2000-05824-2, "Thermistor NTC 10KOhm 1% 2-Pin", Max Operating Temperature=110°C, Min Operating Temperature=-50°C, Resistance=10kR, Tolerance=1%, Height=2.4mm, Lead Pitch=2.54mm, Length=17mm, Number of Pins=2, Packaging=Bulk, RoHS Compliant=Yes, Series=AT, Termination=Radial, Width=3.7mm
"V POT" "WATT POT": library part CMP-2000-05079-1, "Diameter Panel Control, 10 KOhm, +/- 10%, 2 W, -1 to 125 degC, 3-Pin THD, RoHS, Bulk", Manufacturer=Bourns, Power (Watts)=2W, Resistance (Ohms)=10k, Resistive Material=Cermet, Standard Package=45, Temperature Coefficient=±150ppm/degC, Tolerance=±10%, Actuator Diameter="0.250\"(6.35mm)", Actuator Length="0.875\"(22.23mm)", Actuator Type=Slotted, Associated Product="36-8560-ND / -KNOBINSTRUMW/DIALRND.9\"DIA / 36-8555-ND / -KNOBINSTRUMSKIRTEDRND.7\"DIA / 36-8556-ND / -KNOBINSTRUMSKIRTEDRND.9\"DIA / 36-8565-ND / -KNOBINSTRUMDBLBARRND.7\"DIA / 36-8566-ND / -KNOBINSTRUMDBLBARRND.9\"DIA / 36-8568-ND / -KNOBINSTRUMSGLBARRND.7\"DIA / 36-8569-ND / -KNOBINSTRUMSGLBARRND.9\"DIA / 36-8559-ND / -KNOBINSTRUMW/DIALRND.7\"DIA / 226-1006-ND / -KNOBBLKGLOSS.75\"DIA.250\"SHAFT / 226-1007-ND / -KNOBBLKGLOSS.925\"DIA.250\"SHAFT / 226-1011-ND / -KNOBBLKGLOS", Built in Switch=None, Bushing Thread=3/8-32, Catalog Drawings="3852SeriesSide1 /  / 3852SeriesSide2", Category=Potentiometers,VariableResistors, Datasheet URL=https://datasheet.ciiva.com/11831/0900766b80f93b4b-11831016.pdf, Datasheet Version=Sep-14, Family=RotaryPotentiometers,Rheostats, Manufacturer URL=http://www.bourns.com/, Mounting Type=PanelMount, Number of Gangs=1, Number of Turns=1, Online Catalog=3852and3856Series, Other Names=3852A282103AL, Packaging=Bulk, PCN Design/Specification=PBTResinJun/2011, PCN Other=MultipleChanges01/Dec/2012, RoHS Information=3852A-LMaterialDeclaration, Rotation=280deg, Series=3852, Taper=Linear, Termination Style=SolderLug

## Via types
v1: diameter 1.27, hole 0.711, Top Layer to Bottom Layer, 2 vias

## Nets (pads, with @x,y where several pads share a name; then routed paths per layer and width w, separated by ;. In a path a pad name is that pad's centre, name@x,y a point inside that pad or via, vN(x,y) a via of type N, cw(c..) or ccw(c..) an arc to the next point about the centre after c; other vN are vias at no path point)
GND: 0-30VDC.2 555.1 "V POT.2" "V POT.3" C1.1 C2.1 C3.1 C4.1 C9.1 C10.1 FBR.1 Indicator.2 mosfetFan.3 Q3.1 R3.1 R6.1 | length 273.2
  Top Layer w0.254: C2.1 C1.1 78.867,66.792 78.867,53.34 ; R3.1 94.4,101.437 FBR.1 ; C3.1 106.176,68.52 Q3.1 ; 0-30VDC.2 124.333,62.193 C9.1 125.857,67.361 125.75,67.468 C10.1 ; mosfetFan.3 157.772,68.745 157.772,91.91 156.59,93.092 Indicator.2
  Bottom Layer w0.254: C1.1 90.648,70.622 C4.1 95.967,67.285 102.959,67.285 C3.1 ; C2.1 80.756,94.841 R3.1 ; 78.867,53.34 85.217,53.34 ; Q3.1 122.575,74.295 C10.1 129.941,75.311 555.1 141.478,74.041 153.416,74.041 155.194,72.263 mosfetFan.3 ; 0-30VDC.2 126.086,50.825 149.606,50.825 150.647,49.784 150.647,48.768 149.885,48.006 141.325,48.006 R6.1
GND2: "5V DC.1" "Vs display.2" C5.2 C6.2 C7.1 C8.1 D?.4 LM7805.2 R7.2 | length 132.3
  Top Layer w0.254: R7.2 141.847,57.173 141.847,83.967 C6.2 ; C5.2 148.215,88.49 C7.1 C8.1 ; LM7805.2 157.264,79.413 157.264,85.134 156.521,85.877
  Bottom Layer w0.254: R7.2 142.078,57.404 157.353,57.404 165.354,65.405 ; C6.2 142.748,84.575 142.811,84.638 C5.2 145.602,85.877 156.521,85.877 ; C8.1 154.439,114.202 D?.4
Net0-30VDC_1: 0-30VDC.1 C4.2 D1.1 D2.2 Indicator.1 LED1.2 LM338.2 R5.2 | length 254.3
  Top Layer w0.254: R5.2 87.49,79.941 87.903,79.527 D2.2 87.903,75.717 D1.1 87.903,70.867 C4.2 ; LM338.2 113.868,108.269 v1(113.868,93.32)
  Bottom Layer w0.254: R5.2 88.808,83.033 136.779,83.033 139.319,85.573 143.688,85.573 150.825,92.71 157.008,92.71 157.618,93.32 ; C4.2 80.772,66.294 LED1.2 73,51.181 76.708,54.889 127.102,54.889 0-30VDC.1 ; v1(113.868,93.32) 157.618,93.32 ; Indicator.1 157.618,93.32
"Net5V DC_2": "5V DC.2" C5.1 LED2.2 LM7805.3 | length 58.4
  Top Layer w0.254: C5.1 143.358,88.633 143.358,83.769 143.764,83.363 148.412,83.363 LM7805.3 154.051,73.66 154.051,65.532 154.559,65.024 160.655,65.024 165.354,60.325 165.354,53.975 LED2.2
Net9VAC2_1: 9VAC2.1 Rth2.1 | length 9.7
  Top Layer w0.254: 9VAC2.1 165.227,104.842 Rth2.1
Net9VAC2_2: 9VAC2.2 D?.3 | length 10.5
  Bottom Layer w0.254: D?.3 160.811,110.392 9VAC2.2
Net24VAC_1: 24VAC.1 Rth1.1 | length 10.6
  Top Layer w0.254: 24VAC.1 87.54,106.248 Rth1.1
Net24VAC_2: 24VAC.2 FBR.3 | length 26
  Bottom Layer w0.254: FBR.3 76.9,110.197 78.232,108.864 86.011,108.864 24VAC.2
Net555_2: 555.2 555.6 C10.2 D3.1 R10.1 | length 41.3
  Top Layer w0.254: R10.1 128.25,78.76 C10.2 ; D3.1 139.356,78.425 141.339,76.442 141.339,73.902 555.2
  Bottom Layer w0.254: C10.2 129.901,72.771 555.2 142.748,70.231 555.6
Net555_3: 555.3 mosfetFan.1 R11.2 thermistor.2 | length 79.9
  Top Layer w0.254: thermistor.2 120.192,114.376 124.409,114.376 133.528,105.258 133.528,86.136 R11.2 135.941,83.723 135.941,74.498 555.3
  Bottom Layer w0.254: 555.3 141.478,68.961 150.368,68.961 151.841,67.488 151.841,64.44 mosfetFan.1
Net555_5: 555.5 C9.2 | length 21.1
  Bottom Layer w0.254: C9.2 143.854,63.717 555.5
Net555_7: 555.7 D3.2 D4.1 thermistor.1 | length 88.9
  Top Layer w0.254: thermistor.1 116.103,109.676 116.103,114.808 117.196,115.9 133.02,115.9 138.887,121.768 141.224,121.768 142.85,120.142 142.85,83.312 144.12,82.042 D4.1 146.942,80.888 146.982,80.848 D3.2 149.073,77.627 149.073,74.016 555.7
NetBFLED2_1: BFLED2.1 F1.2 FBR.2 | length 99.9
  Top Layer w0.254: BFLED2.1 71.958,66.37 71.958,125.476 72.263,125.781 75.841,125.781 FBR.2
  Bottom Layer w0.254: FBR.2 89.295,117.222 F1.2
NetBFLED2_2: BFLED2.2 R1.1 | length 44
  Bottom Layer w0.254: BFLED2.2 63.576,57.836 63.576,69.444 79.21,85.078 R1.1
NetBFLED_1: BFLED.1 D?.2 F2.2 | length 75
  Top Layer w0.254: BFLED.1 156.261,49.098 162.738,49.098 167.869,54.229 167.869,95.165 F2.2 166.315,101.194 160.927,106.582 D?.2
NetBFLED_2: BFLED.2 R8.1 | length 55.8
  Top Layer w0.254: R8.1 131.928,81.178 131.928,61.798 145.567,48.158 150.393,48.158 BFLED.2
NetC1_2: C1.2 C2.2 FBR.4 Q1.3 Q2.3 R2.2 R4.1 R12.2 | length 109.8
  Top Layer w0.254: C1.2 C2.2 69.4,90.984 FBR.4 ; R12.2 87.803,89.941 R2.2 ; Q2.3 106.994,79.883 Q1.3
  Bottom Layer w0.254: C2.2 68.646,88.011 81.238,88.011 81.559,88.332 R12.2 89.438,89.967 104.022,89.967 Q1.3 111.404,86.995 111.784,87.375 R4.1
NetC3_2: "V POT.1" C3.2 D2.1 LM338.1 R5.1 | length 86
  Top Layer w0.254: C3.2 99.339,68.404 99.339,75.331 D2.1 96.903,79.654 97.05,79.801 R5.1 101.602,81.714 102.895,83.007 102.895,97.166 LM338.1
  Bottom Layer w0.254: 72.517,53.34 75.489,56.312 91.467,56.312 C3.2
NetD1_2: D1.2 LM338.3 mosfetCL.2 | length 59.7
  Top Layer w0.254: D1.2 95.682,74.935 95.682,82.296 96.774,83.388 97.536,83.388 98.908,84.76 98.908,89.891 96.85,89.891 96.317,90.424 96.317,95.667 LM338.3
  Bottom Layer w0.254: LM338.3 114.391,110.287 119.456,110.287 119.532,110.363 mosfetCL.2
NetD4_2: D4.2 R10.2 | length 4.6
  Bottom Layer w0.254: R10.2 136.906,81.661 137.287,82.042 D4.2
NetF1_1: F1.1 R1.2 Rth1.2 | length 65.3
  Top Layer w0.254: F1.1 84.71,112.817 Rth1.2 84.71,84.048 84.734,84.023 90.653,84.023 96.012,89.383 98.4,89.383 98.4,86.114 R1.2
NetF2_1: F2.1 R8.2 Rth2.2 | length 65.4
  Top Layer w0.254: R8.2 135.407,88.255 v1(135.407,95.148) ; Rth2.2 161.096,79.338 F2.1
  Bottom Layer w0.254: v1(135.407,95.148) 154.771,95.148 Rth2.2
"NetFan VS_2": "Fan VS.2" mosfetFan.2 | length 26.8
  Bottom Layer w0.254: mosfetFan.2 157.683,66.116 157.683,87.896 156.59,88.989
NetLED1_1: LED1.1 R6.2 | length 85.1
  Bottom Layer w0.254: LED1.1 102.845,48.641 104.521,50.317 148.574,50.317 R6.2
NetLED2_1: LED2.1 R7.1 | length 11.6
  Bottom Layer w0.254: R7.1 154.046,55.377 LED2.1
NetmosfetCL_1: mosfetCL.1 Q1.1 R2.1 R3.2 | length 51.3
  Top Layer w0.254: R3.2 R2.1 98.755,91.586 101.794,88.547 Q1.1
  Bottom Layer w0.254: R3.2 103.107,100.584 122.403,100.584 123.419,101.6 123.419,111.446 mosfetCL.1
NetmosfetCL_3: "WATT POT.1" "WATT POT.2" mosfetCL.3 Q1.2 Q2.2 | length 87.2
  Top Layer w0.254: 102.4,53.394 107.366,58.361 107.366,75.895 105.41,77.851 ; Q1.2 104.394,79.883 Q2.2 105.41,77.851 ; mosfetCL.3 118.212,104.073 118.212,79.223 116.84,77.851 105.41,77.851
  Bottom Layer w0.254: 102.4,53.394 108.75,53.394
"NetOC Led_1": "OC LED.1" R12.1 | length 39.7
  Top Layer w0.254: 92.456,50.673 93.472,51.689 93.472,84.441 R12.1
"NetOC Led_2": "OC LED.2" Q3.2 | length 27.3
  Top Layer w0.254: 94.996,50.673 94.996,55.143 102.921,63.068 102.921,73.33 Q3.2
NetQ2_1: Q2.1 Q3.3 | length 5.2
  Top Layer w0.254: Q2.1 101.286,76.967 101.596,76.657 Q3.3
NetR4_2: "WATT POT.3" R4.2 | length 8.3
  Top Layer w0.254: 115.1,53.394 116.205,54.5 R4.2
Vcc: 555.4 555.8 "Fan VS.1" "Vs display.1" C6.1 C7.2 C8.2 D?.1 LM7805.1 R11.1 | length 140.2
  Top Layer w0.254: 555.4 141.339,68.822 141.339,70.739 140.45,71.628 139.548,71.628 138.328,72.847 138.328,86.664 C6.1 141.239,102.29 C7.2 C8.2 ; LM7805.1 156.083,83.033 155.346,83.769 155.346,95.25 156.464,96.368 156.972,96.368 157.759,95.58 ; D?.1 157.759,101.613 157.759,95.58 ; 159.061,85.877 159.061,87.376 159.13,87.445 159.13,88.989 159.13,91.721 ; 157.759,93.801 157.759,93.091 159.13,91.721 ; 157.759,93.801 159.13,92.431 159.13,91.721 ; 157.759,93.801 157.759,95.58
  Bottom Layer w0.254: R11.1 130.261,89.575 C6.1 ; C7.2 141.828,101.702 155.53,101.702 D?.1 ; 555.8 153.289,80.772 LM7805.1
pads on no net: MP1. MP1.1 MP1.2 MP2. MP2.1 MP2.2 MP3. MP4.
copper on no net: | length 0.1
  Top Layer w0.254: 134.909,83.16 134.955,83.206

## Silkscreen, mask and mechanical layers (free items; w line width, h text height)
Top Overlay:
  text "Paul" at 58.42,106.045 h1.52
  text "Potolias" at 56.007,103.505 h1.52
  text "+" at 161.163,94.522 h0.9
  text "+" at 161.163,91.728 h0.9
  text "+" at 161.163,88.68 h0.9

## Text inside footprints (layer, text, board x,y; h text height)
BFLED: Top Overlay "K" at 156.337,49.022 h0.76; Mechanical 15 "K" at 156.337,49.022 h0.76
BFLED2: Top Overlay "K" at 66.04,60.452 h0.76 r90; Mechanical 15 "K" at 66.04,60.452 h0.76 r90
LED1: Top Overlay "K" at 64.389,47.371 h0.76 r270; Mechanical 15 "K" at 64.389,47.371 h0.76 r270
LED2: Top Overlay "K" at 157.861,51.562 h0.76 r180; Mechanical 15 "K" at 157.861,51.562 h0.76 r180
"OC LED": Top Overlay "+" at 89.408,49.911 h1.5